# Altium PCB 400236.PcbDoc (part 2 of 4)
Units mil, origin at the board's own origin, x right, y up, seen from the top; angles counter-clockwise.
Board outline 5300 x 2500 mil, 4 copper layers (Top Layer, Mid-Layer 1, Mid-Layer 2, Bottom Layer), stack 59.252 mil thick; 300 components, 217 nets, 1310 pads, 1271 vias.
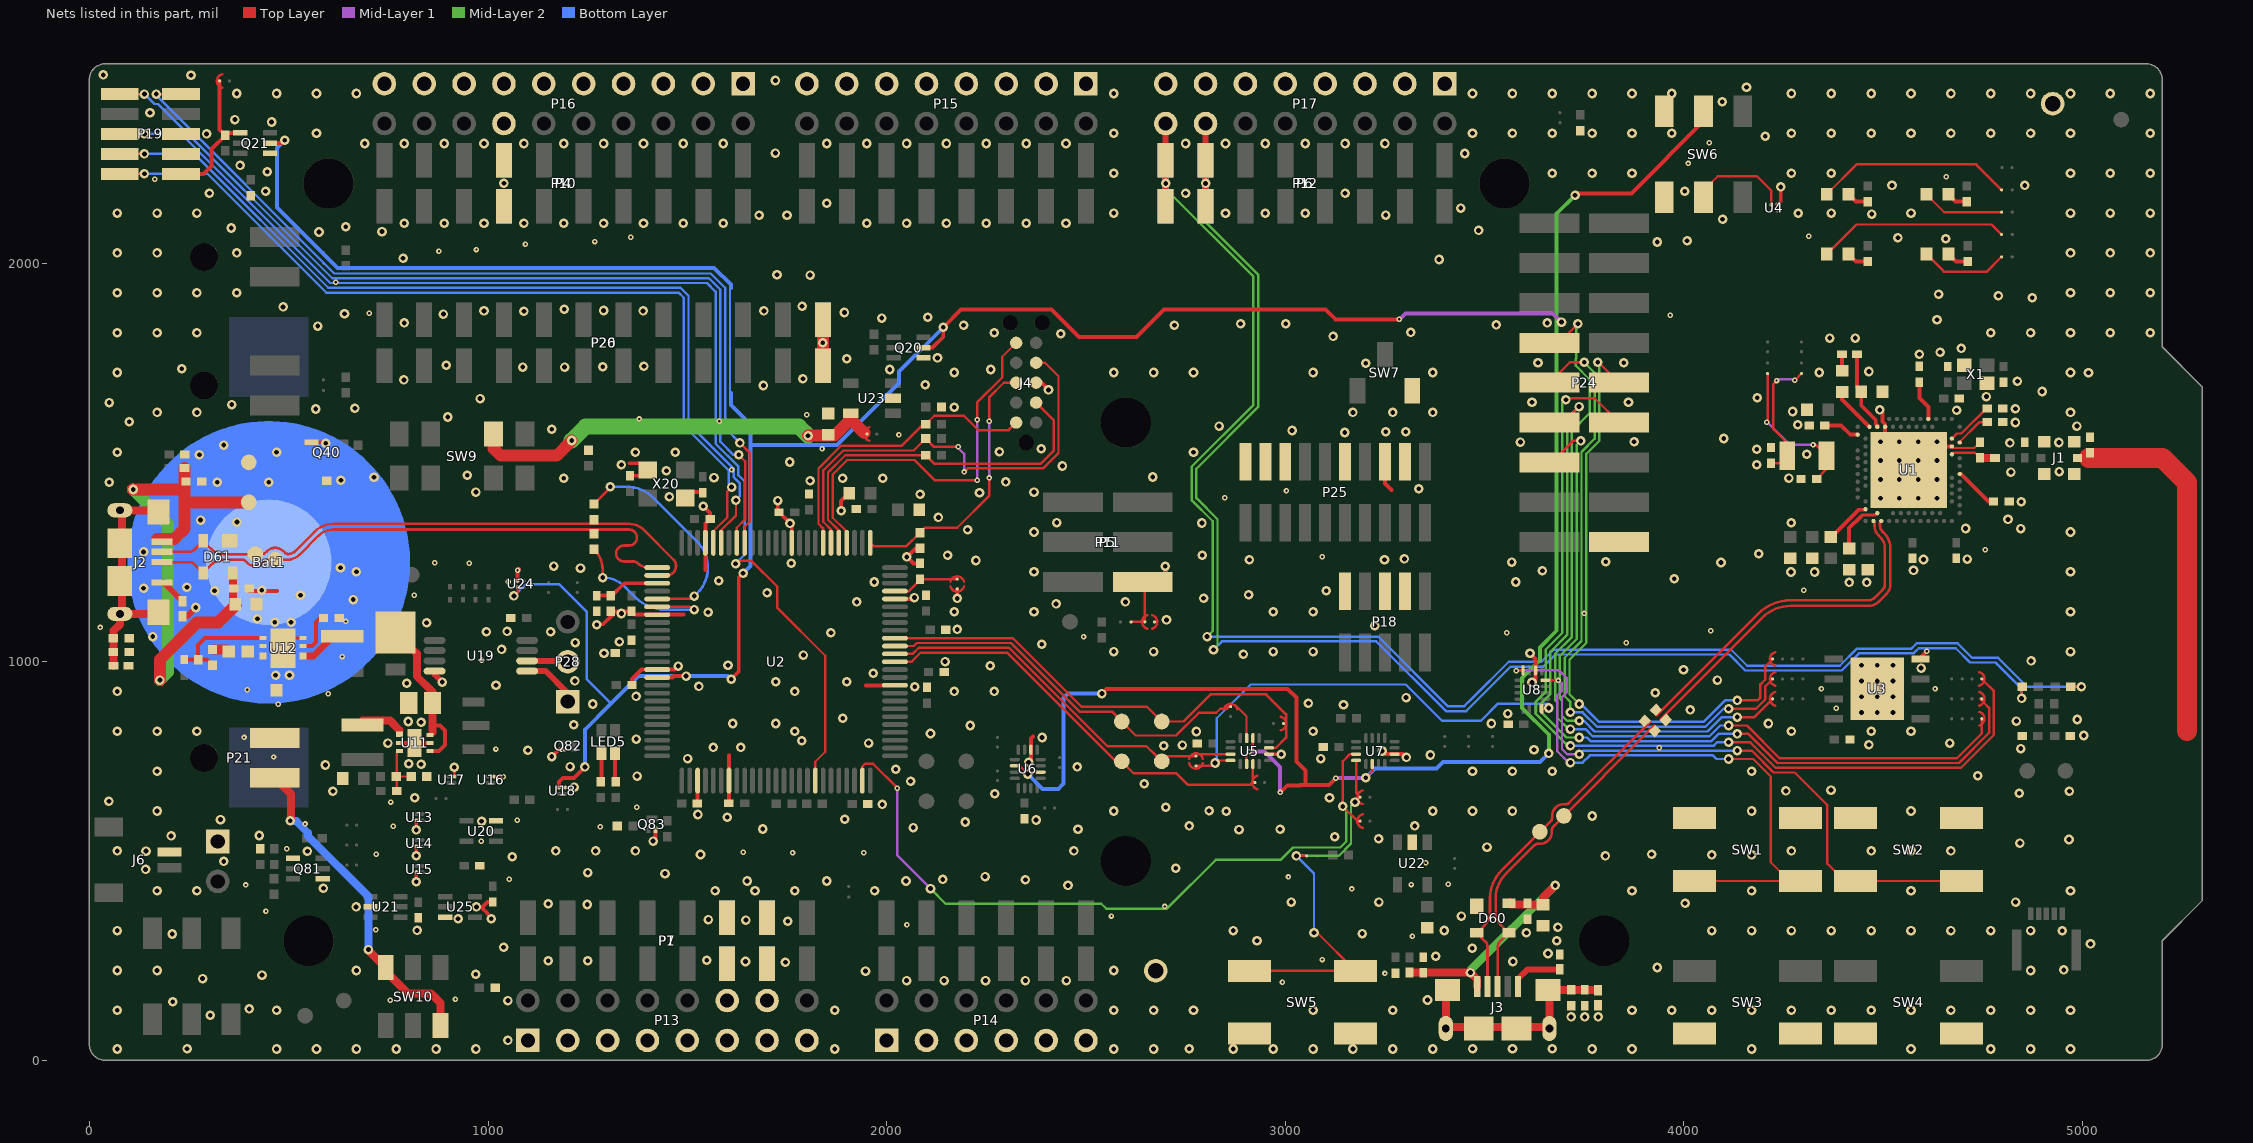
[diagram p4: the nets of this part, all layers, seen from the top]

## Part data
Bat1: library part "Bat Holder CR2032 SMD", "Bat Holder CR2032 SMD"
C1 C2 C16 C17: library part C0402-12p, "Capacitor, NP0, ±2%"
C3: library part C0402-0.8p, "Capacitor, NP0, ±5%"
C4: library part C0402-0.5p, "Chip Cap 0402"
C5 C7 C8 C12 C22 C23 C24 C26 C29 C30 C31 C32 C33 C34 C35 C38 C39 C40 C42 C45 C48 C49 C50 C62 C65 C66 C67 C68 C69 C85 C89 C90 C93: library part C0402-100n, "Capacitor, X7R, ±10%"
C6 C19: library part C0603-4µ7-6.3V-X7R, "Capacitor, X7R, ±10%, 6.3V"
C9 C10 C13: library part C0402-N.C., "Not mounted"
C11: library part C0402-100p, "Capacitor, NP0, ±5%"
C14 C15 C91 C92: library part C0603-1µ0, "Capacitor, X7R, ±10%"
C18 C20: library part C0603-4µ7-10V-X7S, "Capacitor, X7S, ±10%, 10V"
C21: library part C0402-1.2p, "Capacitor, NP0, ±0.1pF"
C25: library part C0402-10p, "Capacitor, NP0, ±2%"
C27 C28: library part C0402-18p, "Capacitor, NP0, ±5%"
C36 C37 C61 C64: library part C0603-10µ, "Capacitor, X5R, ±20%"
C41 C60 C63: library part C0402-10n, "Capacitor, X7R, ±10%"
C46 C47: library part C0402-300p, "Capacitor, NP0, ±5%"
C80 C82 C83 C88: library part C0603-10µF-25V, "Capacitor, 0603, 25V, X5R"
C81: library part C0402-15p, "Capacitor, NP0, ±5%"
C84: library part C0402-470n, "Capacitor, X5R, ±10%"
C86: library part C0805-4µ7, "Capacitor, X5R, ±10%"
C87: library part C0402-150p, "Capacitor, NP0, ±5%"
D60 D61: "Ultra low capacitance double rail-to-rail ESD protection diode"
D80 D81 D82 D83: "20V schottky barrier diode, Vf 350 mV @ 100 mA, Ir 2.0 µA @ 10 V, If 500 mA"
D84: "Diode Schottky Vf=0.455V @ 100mA, Vr=10V, If=1000mA, Ir=1µA @ 10V"
FB60 FB61 FB62 FB63 FB64 FB65: library part FB0402-120R@100M-500mA, "Ferrite Bead, 120 Ohm @ 100MHz, 500mA, 250 mOhm Max"
Fid1 Fid2: library part Fid-Mark, "Fiducial Mark"
J1: "Coaxial Connector with Switch"
J2 J3: library part USB-Micro-B-RA-SMD-PiP, "MicroUSB-B-SMT"
J4: library part TC2050-IDC-NLFP, "CBL PLUG-OF-NAILS 10-PIN"
J5: library part FPC_05P-0.5mm-RA-SMD, "0.5mm FPC, 5P,Right Angle SMT,Double Contact,H=1.2mm,White, Tin plated"
J6: library part SM02B-SRSS-TB, "1.0mm pitch connector side entry SMD"
L1: library part L0402-3n3, "Inductor, 190mA, ±0.1nH"
L2 L4: library part L0603-10µ, "Inductor, 80mA, ±10%"
L3: library part L0402-15n, "Inductor, 320mA, ±5%"
L80: library part NR3015-2µ2-1.5A-72mOhm, "Ferrite Inductor, Shielded, 1,5A, 72mOhm"
L81: library part NR3015-4µ7-1.04A-144mOhm, "Ferrite Inductor, Shielded, 1,04A, 144mOhm"
LED1 LED2 LED3 LED4: library part "LG L29K Smartled Green", "LED SMARTLED GREEN 570NM 0603"
LED5: library part LTST-C195KGJRKT, "Ultra bright AlInGaP Bi-Color LED"
LOGO1: "Nordic Logo, medium size"
P1 P3 P6: library part "Socket 1x8 SMD", "Socket 1x8, 2.54mm (100mil), SMD"
P2: library part "Socket 1x6 SMD", "Socket 1x6, 2.54mm (100mil), SMD"
P4: library part "Socket 1x10 SMD", "Socket 1x10, 2.54mm (100mil), SMD"
P5: library part "Pin Header 2x3 SMD", "Pin Header 2x3, 2.54mm (100mil) SMD"
P7 P9 P12: library part "Pin List 1x8 SMD", "Pin List 1x8, 2.54mm (100mil), SMD"
P8: library part "Pin List 1x6 SMD", "Pin List 1x6, 2.54mm (100mil), SMD"
P10: library part "Pin List 1x10 SMD", "Pin List 1x10, 2.54mm (100mil), SMD"
P11: library part "Socket 2x3 SMD Bottom", "Socket 2x3, 2.54mm (100mil), SMD"
P13 P15 P17: "Pin Header 2x8, 2.54mm (100mil)"
P14: "Pin Header 2x6, 2.54mm (100mil)"
P16: "Pin Header 2x10, 2.54mm (100mil)"
P18 P19: library part "Pin Header 2x5 SMD, 1.27mm, KS", "Pin Header 2x5, 1.27mm (50mil), SMD, Keying Shroud"
P20: library part "Pin List 1x12 SMD", "Pin List 1x12, 2.54mm (100mil), SMD"
P21 P22 P23: library part "Pin List Ang 1x2 SMD, 2.54mm", "Pin List 1x2, 2.54mm (100mil), Right Angled, SMD"
P24: library part "Socket 2x9 SMD", "Socket 2x9, 2.54mm (100mil), SMD"
P25: library part "Pin Header 2x10 SMD, 1.27mm, KS", "Pin Header 2x10, 1.27mm (50mil), SMD, Keying Shroud"
P26: library part "Socket 1x12 SMD", "Socket 1x12, 2.54mm (100mil), SMD"
P27: "Pin List 1x2, 2.54mm (100mil)"
P28: "Pin List 1x3, 2.54mm (100mil)"
Q20 Q21 Q40: "Fairchild, FDG6321C, Dual N & P Channel Digital FET"
Q80: "45V NPN high gain power transistor"
Q81: "Fairchild, FDG6303N, Dual N-Channel Digital FET"
Q82 Q83: "N-Channel MOSFET, 20V, 1A, 470mOhm, 400mW"
R20 R21 R47 R48 R50 R51: library part R0402-220, "Resistor, ±1%, 0.063W"
R22 R23 R24 R27 R49 R62 R63: library part R0402-10k, "Resistor, ±1%, 0.063W"
R25: library part R0402-6k8, "Resistor, ±1%, 0.063W"
R26: library part R0402-47k, "Resistor, ±1%, 0.063W"
R28 R29: library part R0402-150, "Resistor, ±1%, 0.063W"
R30 R93: library part R0402-1k0, "Resistor, ±1%, 0.063W"
R40: library part R0402-150k, "Resistor, ±1%, 0.063W"
R41 R68 R86 R87 R89: library part R0402-1M0, "Resistor, ±1%, 0.063W"
R43 R45 R88 R90 R91: library part R0402-N.C., "Not mounted"
R44 R46: library part R0402-0R, "Resistor, ±5%, 0.063W"
R52 R53 R64 R65 R66 R67: library part R0402-4k7, "Resistor, ±1%, 0.063W"
R60 R61 R69 R70: library part R0402-39R, "Resistor, ±1%, 0.063W"
R80: library part R0402-270k, "Resistor, ±1%, 0.063W"
R81: library part R0402-30k, "Resistor, ±1%, 0.063W"
R82: library part R0402-330k, "Resistor, ±1%, 0.063W"
R83: library part R0402-820k, "Resistor, ±1%, 0.063W"
R84: library part R0402-120k, "Resistor, ±1%, 0.063W"
R85: library part R0402-470k, "Resistor, ±1%, 0.063W"
R92 R94: library part R0402-10M, "Resistor, ±1%, 0.063W"
SB1 SB2 SB5 SB6 SB7 SB8 SB10 SB11 SB12 SB13 SB14 SB15 SB33 SB38 SB40 SB41 SB65: library part "Solderbridge Shorted", "Shorted Solderbridge"
SW1 SW2 SW3 SW4 SW5: library part Switch-PB-6.2x6.3mm-SMD, "Tactile Switch, SPNO, SMD, 160gf, 6.2x6.3x2.5mm"
SW6 SW8: "Slide Switch DPDT"
SW7: library part CJS-1200TA, "SMD slide Switch (ON-ON)"
SW9: "Slide Switch DP3T 300mA 6V"
SW10: "Slide Switch DPDT J Hook"
TP1 TP2 TP3 TP4 TP5 TP6 TP7 TP8 TP9 TP10 TP11 TP12 TP13 TP14 TP15 TP16 TP17 TP18 TP19: library part TP_SMD_Ø1.0MM, "1.0mm circular SMD testpad"
TP20 TP21: library part "Testpoint TH", "Testpoint, through hole"
U1: library part nRF52840-QIAAAA, "Multi-protocol Bluetooth Low Energy, ANT and 2.4GHz proprietary system-on-chip"
U2: "IC MCU 32bit 128kB flash 100LQFP"
U3: library part MX25R6435FZNIL0, "Ultra low power, 64M-bit, serial multi I/O flash memory"
U4 U13 U14 U15 U16 U17 U18 U24: "Semtech, 2A Low Vin, Very Low Ron, Load Switch, 4DSBGA"
U5 U6 U7 U8: "Data / Audio Low-Voltage Dual DPDT Analog Switch"
U11: library part XC9236F08CER-G, "600mA Driver Transistor Built-In, Synchronous Step-Down DC/DC Converters"
U12: library part XC9131H05CDR-G, "1A Driver Transistor Built-In, Multi Functional Step-Up DC/DC Converter"
U19: "Precision very low power CMOS dual operational amplifier"
U20 U25: library part 74LVC1G08GW, "Single 2-Input AND Gate"
U21: library part 74LVC1G11GW, "Single 3-input AND gate"
U22 U23: library part TCK106AF,LF, "1.0 A Load Switch IC with Slew Rate Control Driver in Small Package"
X1: library part XTAL_SMD2016_32MHz_8pF_Epson, "XTAL SMD 2016, 32MHz, Cl=8pF, Tol: ±10ppm, Stab: ±10ppm"
X2: library part XTAL_SMD3215_32.768kHz_9pF_Kyocera_HT, "XTAL SMD 3215, 32.768kHz, 9pF, ±20ppm, -40°C ~ 125°C"
X20: library part XTAL_SMD3225_12MHz_18pF_TXC, "XTAL SMD 3225, 12MHz, Cl=18pF, Tol: ±30ppm, Stab: ±30ppm"

## Free pads (board coordinates)
  round 126 hole 126 unplated: 1(550,300) 1(600,2200) 1(2600,500) 1(2600,1600) 1(3550,2200) 1(3800,300)
  round 13.78 on Mech16: 1(4455.73,1441.63) 1(4455.73,1461.31) 1(4455.73,1481) 1(4455.73,1500.68) 1(4455.73,1520.37) 1(4524.63,1372.73) 1(4524.63,1589.27) 1(4544.31,1372.73) 1(4544.31,1589.27) 1(4564,1372.73) 1(4564,1589.27) 1(4583.68,1372.73) 1(4583.68,1589.27) 1(4603.37,1372.73) 1(4603.37,1589.27) 1(4623.05,1372.73) 1(4623.05,1589.27) 1(4642.74,1372.73) 1(4672.27,1402.26) 1(4672.27,1421.94) 1(4672.27,1441.63) 1(4672.27,1461.31)

## Via types
v1: diameter 24, hole 12, Top Layer to Bottom Layer, tented both sides, 1055 vias
v2: diameter 13.78, hole 5.91, Top Layer to Mid-Layer 1, tented both sides, 190 vias
v3: diameter 24, hole 12, Top Layer to Bottom Layer, 26 vias

## Nets (pads, with @x,y where several pads share a name; then routed paths per layer and width w, separated by ;. In a path a pad name is that pad's centre, name@x,y a point inside that pad or via, vN(x,y) a via of type N, cw(c..) or ccw(c..) an arc to the next point about the centre after c; other vN are vias at no path point)
ANT: C21.1 J1.3 | length 895.1
  Top Layer w50: 5015.67,1511.46 5200.28,1511.46 5261.67,1450.07 5261.67,826.39
BOOT/RESET: SB43.1 SB65.1 SW5.2 U7.16 | length 1018.7
  Top Layer w6: SW5.2@2910.12,224.47 SW5.2@3175.87,224.47 3080.35,320 v1(3072,320) ; v1@3028,513 SB65.1@3053.7,513 ; v1(3175,648) 3181.66,654.66 3187,660 3187,660.7 3181.84,665.86 3177.77,669.93 U7.16@3177.77,752.38 U7.16@3176.38,752.38
  Mid-Layer 2 w6: v1(3028,513) 3134,513 3165,544 3165,638 v1(3175,648)
  Bottom Layer w6: v1(3028,513) 3072,469 v1(3072,320)
BUTTON1: SW1.2 U8.4 | length 1370.4
  Top Layer w6: U8.4@3652.48,953.62 3685.38,953.62 v2@3686,953 ; SW1.2@4026.7,449.99 SW1.2@4265.01,449.99 ; v1(4112,756) 4174,756 4218,712 4218,497 SW1.2@4265.01,449.99 ; SW1.2@4319.18,449.99 SW1.2@4292.45,449.99 SW1.2@4265.01,449.99
  Mid-Layer 1 w6: v2@3686,953 3694,945 3694,927.64 3682.33,915.97 3682.33,775.33 3710.66,747 v1(3715.33,747)
  Bottom Layer w6: v1(3715.33,747) 3746.03,747 3764.03,765 4073,765 4082,756 v1(4112,756)
  other v2: 3685,953
BUTTON2: SW2.2 U8.8 | length 1594.4
  Top Layer w6: v2@3578.23,978.23 U8.8@3596.38,978.23 ; v1(4134,777) 4170.09,777 4225.09,722 4278,722 4360,640 4360,493.17 4403.18,449.99 SW2.2@4430.7,449.99 SW2.2@4696.45,449.99 SW2.2@4720.99,449.99
  Mid-Layer 1 w6: v2@3578.23,978.23 3686.8,978.23 3706,959.03 3706,922.67 3694.33,911 3694.33,780.3 3706.63,768 v1(3737.33,768)
  Bottom Layer w6: v1(3737.33,768) 3746.33,777 v1(4134,777)
  other v2: 3579.23,977.23
CTS: SB50.1 U5.16 U8.16 | length 1173.6
  Top Layer w6: SB50.1@2776,738.7 2789.9,738.7 2816.7,738.7 v1(2824,746) 2830.25,752.25 U5.16@2862.5,752.25 ; U8.16@3643.62,881.77 v1@3657.77,881.77 ; v1@3663,887 v1@3657.77,881.77 ; v1@3668,885 3664.77,881.77 v1@3657.77,881.77
  Bottom Layer w6: v1(2824,746) 2828.31,750.31 2828.31,858.01 2913.3,943 3302.39,943 3393.39,852 3490.7,852 3533.7,895 3658,895 v1@3668,885
  other v1: 3661,884
D20: P6.7 P12.7 P17.14 R43.1 | length 3941.5
  Top Layer w6: v1(4847,908) 4847,934.84 R43.1@4849.16,937
  Top Layer w15: P6.7@2800,2142.32 v1(2800,2200) P6.7@2800,2257.68 P17.14@2800,2350
  Mid-Layer 2 w6: v1(2800,2200) 2800,2103.03 2932,1971.03 2932,1639 2777,1484 2777,1410.3 2830,1357.3 2830,1040 v1(2820,1030)
  Bottom Layer w6: v1(2820,1030) 2841,1051 3228.33,1051 3403.33,876 3453.91,876 3565.79,987.87 3647.54,987.87 3677.67,1018 4113.97,1018 4153.97,978 4396,978 4439,1021 4576,1021 4583,1028 4589,1034 4682,1034 4718,998 4782,998 4847,933 v1(4847,908)
  Bottom Layer w15: P12.7@2800,2142.32 v1(2800,2200) P12.7@2800,2257.68
D21: P6.8 P12.8 P17.16 R45.1 | length 4071.5
  Top Layer w6: R45.1@4970.53,937 v1(4997.16,937)
  Top Layer w15: P6.8@2700,2142.32 v1(2700,2200) P6.8@2700,2257.68 P17.16@2700,2350
  Mid-Layer 2 w6: v1(2700,2200) 2700,2186.06 2920,1966.06 2920,1644 2765,1489 2765,1405.33 2818,1352.33 2818,1077 v1(2804,1063)
  Bottom Layer w6: v1@2812,1063 3233.3,1063 3408.3,888 3448.94,888 3450,889.06 3450,889.67 3469.33,909 3469.94,909 3560.82,999.87 3642.57,999.87 3672.7,1030 4118.94,1030 4158.94,990 4391.03,990 4434.03,1033 4571.03,1033 4580.51,1042.49 4584.03,1046 4686.97,1046 4722.97,1010 4788.3,1010 4861.3,937 v1(4997.16,937)
  Bottom Layer w15: P12.8@2700,2142.32 v1(2700,2200) P12.8@2700,2257.68
D28: P24.7 SB25.2 | length 2326.7
  Top Layer w6: P24.7@3662.5,1800 3686,1800 v1(3734,1848) ; v1(4112,840) 4158,840 4240,758 4685.03,758 4747.3,820.27 4747.3,843.1 SB25.2@4747.3,857
  Mid-Layer 2 w6: v1(3715.33,831) 3710.66,831 3682.33,859.33 3682.33,898.09 3677,903.42 3677,1020.03 3719,1062.03 3719,1579 3764,1624 3764,1707.3 3729,1742.3 3729,1760.7 3730,1761.7 3730,1844 v1(3734,1848)
  Bottom Layer w6: v1(3715.33,831) 3753.03,831 3771.03,813 4064.21,813 4091.21,840 v1(4112,840)
D30: P24.9 SB21.2 | length 1625.7
  Top Layer w6: P24.9@3662.5,1700 3713.5,1751 v1(3750,1751) ; v1(4112,882) 4180.73,882 4203.92,905.19 4203.92,938.22 4216.84,951.14 SB21.2@4222.7,957
  Mid-Layer 2 w6: v1(3715.33,873) 3715.33,899.03 3701,913.36 3701,1010.09 3743,1052.09 3743,1526.3 3776,1559.3 3776,1725 v1(3750,1751)
  Bottom Layer w6: v1(3715.33,873) 3746.03,873 3782.03,837 4054.27,837 4099.27,882 v1(4112,882)
D31: P24.10 SB22.2 | length 1582.6
  Top Layer w6: v1(3784,1751) 3786.5,1751 P24.10@3837.5,1700 ; v1(4134,903) 4184.76,903 4191.92,910.16 4191.92,943.19 4203.92,955.19 4203.92,988.22 4216.84,1001.14 SB22.2@4222.7,1007
  Mid-Layer 2 w6: v1(3737.33,894) 3713,918.33 3713,1005.12 3755,1047.12 3755,1521.33 3788,1554.33 3788,1747 v1(3784,1751)
  Bottom Layer w6: v1(3737.33,894) 3742,894 3787,849 4049.3,849 4103.3,903 v1(4134,903)
D32: P24.11 SB23.2 | length 2216.2
  Top Layer w6: P24.11@3662.5,1600 3697,1600 v1(3737,1640) ; v1(4134,819) 4162.03,819 4235.03,746 4690,746 4765.73,821.73 4765.73,884.27 4751.8,898.2 4743,907
  Mid-Layer 2 w6: v1(3737,1640) 3707,1610 3707,1067 3665,1025 3665,918.7 3640,893.7 3640,875.3 3705.3,810 v1(3737.33,810)
  Bottom Layer w6: v1(3737.33,810) 3757.06,810 3766.06,801 4069.18,801 4087.18,819 v1(4134,819)
D33: P24.12 SB24.2 | length 2379.4
  Top Layer w6: v1(3704,1657) 3708,1661 3776.5,1661 P24.12@3837.5,1600 ; v1(4112,798) 4166.06,798 4230.06,734 4695,734 4777.73,816.73 4777.73,926.57 4753.16,951.14 SB24.2@4747.3,957
  Mid-Layer 2 w6: v1(3704,1657) 3695,1648 3695,1072 3653,1030 3653,923.67 3628,898.67 3628,870.33 3709.33,789 v1(3715.33,789)
  Bottom Layer w6: v1(3715.33,789) 4074.15,789 4083.15,798 v1(4112,798)
D34: P24.13 SB20.2 | length 1391.5
  Top Layer w6: P24.13@3665,1497.5 3721.5,1554 v1(3741,1554) ; v1(4134,861) 4176.7,861 4216.84,901.14 SB20.2@4222.7,907
  Mid-Layer 2 w6: v1(3737.33,852) 3706.63,852 3694.33,864.3 3694.33,903.06 3689,908.39 3689,1015.06 3731,1057.06 3731,1544 v1(3741,1554)
  Bottom Layer w6: v1(3737.33,852) 3749,852 3776,825 4059.24,825 4095.24,861 v1(4134,861)
D39: P24.18
D*_N: D60.2 J3.2 R69.2 TP13.1 | length 856.8
  Top Layer w6.5: J3.2@3507.34,185.63 3507.34,284.46 ccw(c3487.34,284.46) 3501.48,298.6 D60.2@3480.41,319.68 3500.46,339.74 ccw(c3469.05,371.15) 3513.48,371.15 3513.48,406.06 cw(c3613.48,406.06) 3542.77,476.77 3665.7,599.7 ccw(c3657.01,608.4) 3669.32,608.4 3669.32,613.08 cw(c3699,613.08) 3678.01,634.07 cw(c3699.1,612.98) 3699.1,642.81 3703.78,642.81 ccw(c3703.78,654.97) 3712.38,646.37 3915,849
D*_P: D60.3 J3.3 R70.2 TP14.1 | length 844.8
  Top Layer w6.5: J3.3@3532.83,185.54 3532.83,284.46 cw(c3552.83,284.46) 3538.69,298.6 ; 3538.71,298.58 D60.3@3560.19,320.06 ; D60.3@3560.63,319.68 3540.57,339.73 cw(c3571.99,371.15) 3527.56,371.15 3527.56,405.88 cw(c3613.9,405.88) 3552.85,466.93 3625.72,539.8 ; 3625.81,539.8 cw(c3634.41,531.2) 3634.41,543.37 3639.09,543.37 ccw(c3639.09,573.19) 3660.18,552.1 ccw(c3639.19,573.09) 3668.87,573.09 3668.87,577.77 cw(c3681.18,577.77) 3672.48,586.47 ; 3674,588.08 R70.2@3925.46,839.54
D_N: R69.1 U1.AD4 | length 873.8
  Top Layer w6.5: 3932,866 4186.67,1120.66 cw(c4267.34,1040) 4267.34,1154.09 4463.72,1154.09 ccw(c4463.72,1174.28) 4478,1160 4497.96,1179.96 ccw(c4482.92,1195) 4504.19,1195 4504.19,1284.99 ccw(c4465.99,1284.99) 4493,1312 4488.11,1316.89 cw(c4512.23,1341) 4478.13,1341 4478.13,1350.34 U1.AD4@4475.42,1353.05
D_P: R70.1 U1.AD6 | length 885.7
  Top Layer w6.5: R70.1@3941.46,855.54 4196.63,1110.71 cw(c4267.34,1040) 4267.34,1140 4463.72,1140 ccw(c4463.72,1174.28) 4487.96,1150.04 4508.26,1170.35 ccw(c4484.61,1194) 4518.06,1194 4518.06,1284.99 ccw(c4465.99,1284.99) 4502.81,1321.81 4497.92,1326.7 ; U1.AD6@4495.1,1353.05 4492,1349.94 4492,1341 ccw(c4512.23,1341) 4497.92,1326.7
DEC1: C5.1 U1.C1 | length 91.9
  Top Layer w9.84: C5.1@4353.77,1592.73 4394.2,1592.73 4417.35,1569.58 U1.C1@4436.05,1569.58
DEC2: C10.2 U1.E24 | length 91.1
  Top Layer w6: U1.E24@4691.95,1549.9 4691.95,1551.63 4741.4,1601.08 C10.2@4760.85,1601.08
DEC3: C11.1 U1.D23 | length 120
  Top Layer w6: U1.D23@4672.27,1559.74 4672.49,1559.74 4685.28,1572.53 4695.89,1572.53 4758.88,1635.53 C11.1@4760.85,1635.53
DEC4: C15.2 L3.1 U1.B5 | length 188
  Top Layer w9.84: C15.2@4434.08,1687.69 L3.1@4434.08,1771.35 ; C15.2@4444.91,1676.87 4444.91,1642.89 4481.32,1606.48 4481.32,1596.21 4485.26,1592.27 U1.B5@4485.26,1589.27
DFSD_N: R60.1 U2.80 | length 578.5
  Top Layer w6.5: R60.1@1266.01,1395.62 v1@1304.64,1434.25 ; v1@1304.64,1434.25 ccw(c1299.88,1439) v1(1306.61,1439) ; U2.80@1424.38,1157.58 1498.61,1157.58 ; 1500.33,1157.58 ccw(c1500.33,1182.02) v1@1517.61,1164.74
  Bottom Layer w6.5: v1(1306.61,1439) 1346.18,1439 cw(c1346.18,1339) 1416.89,1409.71 1523.32,1303.28 cw(c1455.04,1235) 1551.61,1235 cw(c1463.82,1235) 1525.89,1172.92 v1(1517.61,1164.64)
DFSD_P: R61.1 U2.81 | length 427.3
  Top Layer w6.5: R61.1@1265.67,1282.37 R61.1@1266.01,1282.71 ; R61.1@1266.02,1282.01 cw(c1213.89,1229.89) 1287.61,1229.89 v1(1287.61,1211) ; U2.81@1424.38,1137.79 1499.61,1137.79 ; 1500.33,1137.79 cw(c1500.33,1113.36) v1@1517.61,1130.64
  Bottom Layer w6.5: v1(1287.61,1211) cw(c1287.61,1131.33) 1343.94,1187.67 1371.68,1159.93 ccw(c1442.39,1230.64) 1442.39,1130.64 v1@1517.61,1130.64
  other v1: 1517.61,1130.74
DHSD_N: D61.2 J2.2 R60.2 TP10.1 U2.77 | length 1514.5
  Top Layer w6.5: J2.2@181.84,1275.5 249.61,1275.5 ccw(c249.61,1295.5) 263.75,1281.35 D61.2@284.82,1302.43 ; D61.2@285.2,1303.35 cw(c283.89,1303.35) D61.2@284.82,1302.43 ; TP10.1@432,1270.05 336.68,1270.05 cw(c336.68,1314.47) 305.26,1283.06 285.2,1303.12 D61.2@285.2,1303.35 cw(c283.89,1303.35) D61.2@284.82,1302.43 ; TP10.1@433,1270.02 ccw(c433,1282.33) 441.7,1273.63 445.01,1276.94 cw(c466,1255.94) 466,1285.63 cw(c466,1255.8) 487.09,1276.89 490.4,1273.59 ccw(c499,1282.19) 499,1270.02 ; 497.83,1270.05 ccw(c497.83,1296.66) 516.65,1277.84 564.24,1325.44 ; 564.14,1325.54 cw(c612.81,1276.88) 612.41,1345.7 1354.62,1345.7 cw(c1354.62,1294.32) 1390.96,1330.65 1464.68,1256.93 ; 612.43,1345.7 cw(c612.81,1276.88) 612.81,1345.7 ; U2.77@1424.38,1216.53 U2.77@1447.79,1216.53 ; 1464.68,1256.93 cw(c1447.79,1240.04) 1447.79,1216.17 ccw(c1447.79,1240.04) 1464.68,1256.93
DHSD_P: D61.3 J2.3 R61.2 TP9.1 U2.76 | length 1491.7
  Top Layer w6.5: J2.3@181.84,1250 249.61,1250 cw(c249.61,1230) 263.75,1244.14 D61.3@285.2,1222.65 285.2,1222.89 305.26,1242.95 ; 574.57,1315.93 cw(c612.41,1278.1) 574.78,1316.13 cw(c612.41,1278.1) 612.41,1331.6 1354.62,1331.6 ; 574.98,1316.33 526.62,1267.98 cw(c497.61,1297) 497.61,1255.96 449,1255.96 ccw(c449,1243.65) 440.3,1252.35 436.99,1249.05 cw(c416,1270.04) 416,1240.35 cw(c416,1270.18) 394.91,1249.09 391.6,1252.4 ccw(c383,1243.79) 383,1255.96 336.67,1255.96 ; 1341.42,1251.5 cw(c1341.42,1271.5) 1341.42,1291.5 ; 1341.61,1251.5 1365.35,1251.5 cw(c1365.35,1237.84) 1375.01,1247.5 ccw(c1402.24,1274.73) 1402.24,1236.22 U2.76@1424.38,1236.22 ; 1341.81,1291.5 1353.62,1291.5 ccw(c1353.62,1311.5) 1353.62,1331.5 ; 305.26,1242.95 cw(c336.67,1211.53) 336.67,1255.96 ; 305.26,1242.95 cw(c336.67,1211.53) 336.67,1255.96
EXT_GND_DETECT: P19.9 U2.67 | length 2363.1
  Top Layer w6: v1(168,2424) P19.9@229.76,2424 ; v1(1632,1549) 1657,1524 1657,1492 1657,1466 1657,1460 1657,1352.13 1643.87,1339 U2.67@1643.87,1298.23
  Bottom Layer w6: v1(168,2424) 168,2420.29 614.29,1974 1558.94,1974 1595,1937.94 1595,1586 v1(1632,1549)
EXT_RESET: P19.10 U2.68 | length 2387.3
  Top Layer w6: P19.10@76.22,2424 v1(137.98,2424) ; U2.68@1624,1298.41 U2.68@1624.18,1298.23 1624.18,1332 1624.18,1336.29 1645,1357.1 1645,1503 v1(1629,1519)
  Bottom Layer w6: v1(137.98,2424) 162.98,2399 172.32,2399 609.32,1962 1553.97,1962 1583,1932.97 1583,1551.71 1615.71,1519 v1(1629,1519)
EXT_SWDCLK: P19.4 U2.70 | length 2267
  Top Layer w6: P19.4@76.22,2274 v1(137.98,2274) ; U2.70@1584.81,1298.23 1584.81,1329.84 1622,1367.03 v1(1622,1405)
  Bottom Layer w6: v1(137.98,2274) 263.38,2274 599.38,1938 1482.97,1938 1503,1917.97 1503,1597.77 1616,1484.77 1616,1463 1632,1447 1632,1415 v1(1622,1405)
EXT_SWDIO: P19.2 U2.71 | length 2227.1
  Top Layer w6: P19.2@76.22,2224 v1(137.98,2224) ; U2.71@1565.13,1298.23 1565.13,1327.13 1600,1362 1600,1427 v1(1611,1438)
  Bottom Layer w6: v1(137.98,2224) 296.41,2224 594.41,1926 1478,1926 1491,1913 1491,1592.8 1604,1479.8 1604,1445 v1(1611,1438)
EXT_SWO: P19.6 U2.18 | length 3061.7
  Top Layer w6: P19.6@76.22,2324 v1(137.98,2324) ; v1(1621,1246) 1628,1253 1661,1253 1726,1188 1726,1135 1846,1015 1846,774 1821.03,749.03 U2.18@1821.03,701.77
  Bottom Layer w6: v1(137.98,2324) 230.35,2324 604.35,1950 1549,1950 1571,1928 1571,1546.74 1628,1489.74 1628,1467.97 1644,1451.97 1644,1269 v1(1621,1246)